# Altium PCB OZ440-SE100-CAR003.PcbDoc (part 5 of 5)
Units mm, origin at the board's own origin, x right, y up, seen from the top; angles counter-clockwise.
Board outline 187.5 x 145 mm, 6 copper layers (Top Layer, Mid-Layer 1, Mid-Layer 2, Mid-Layer 3, Mid-Layer 4, Bottom Layer), stack 1.444 mm thick; 326 components, 302 nets, 1483 pads, 1041 vias.
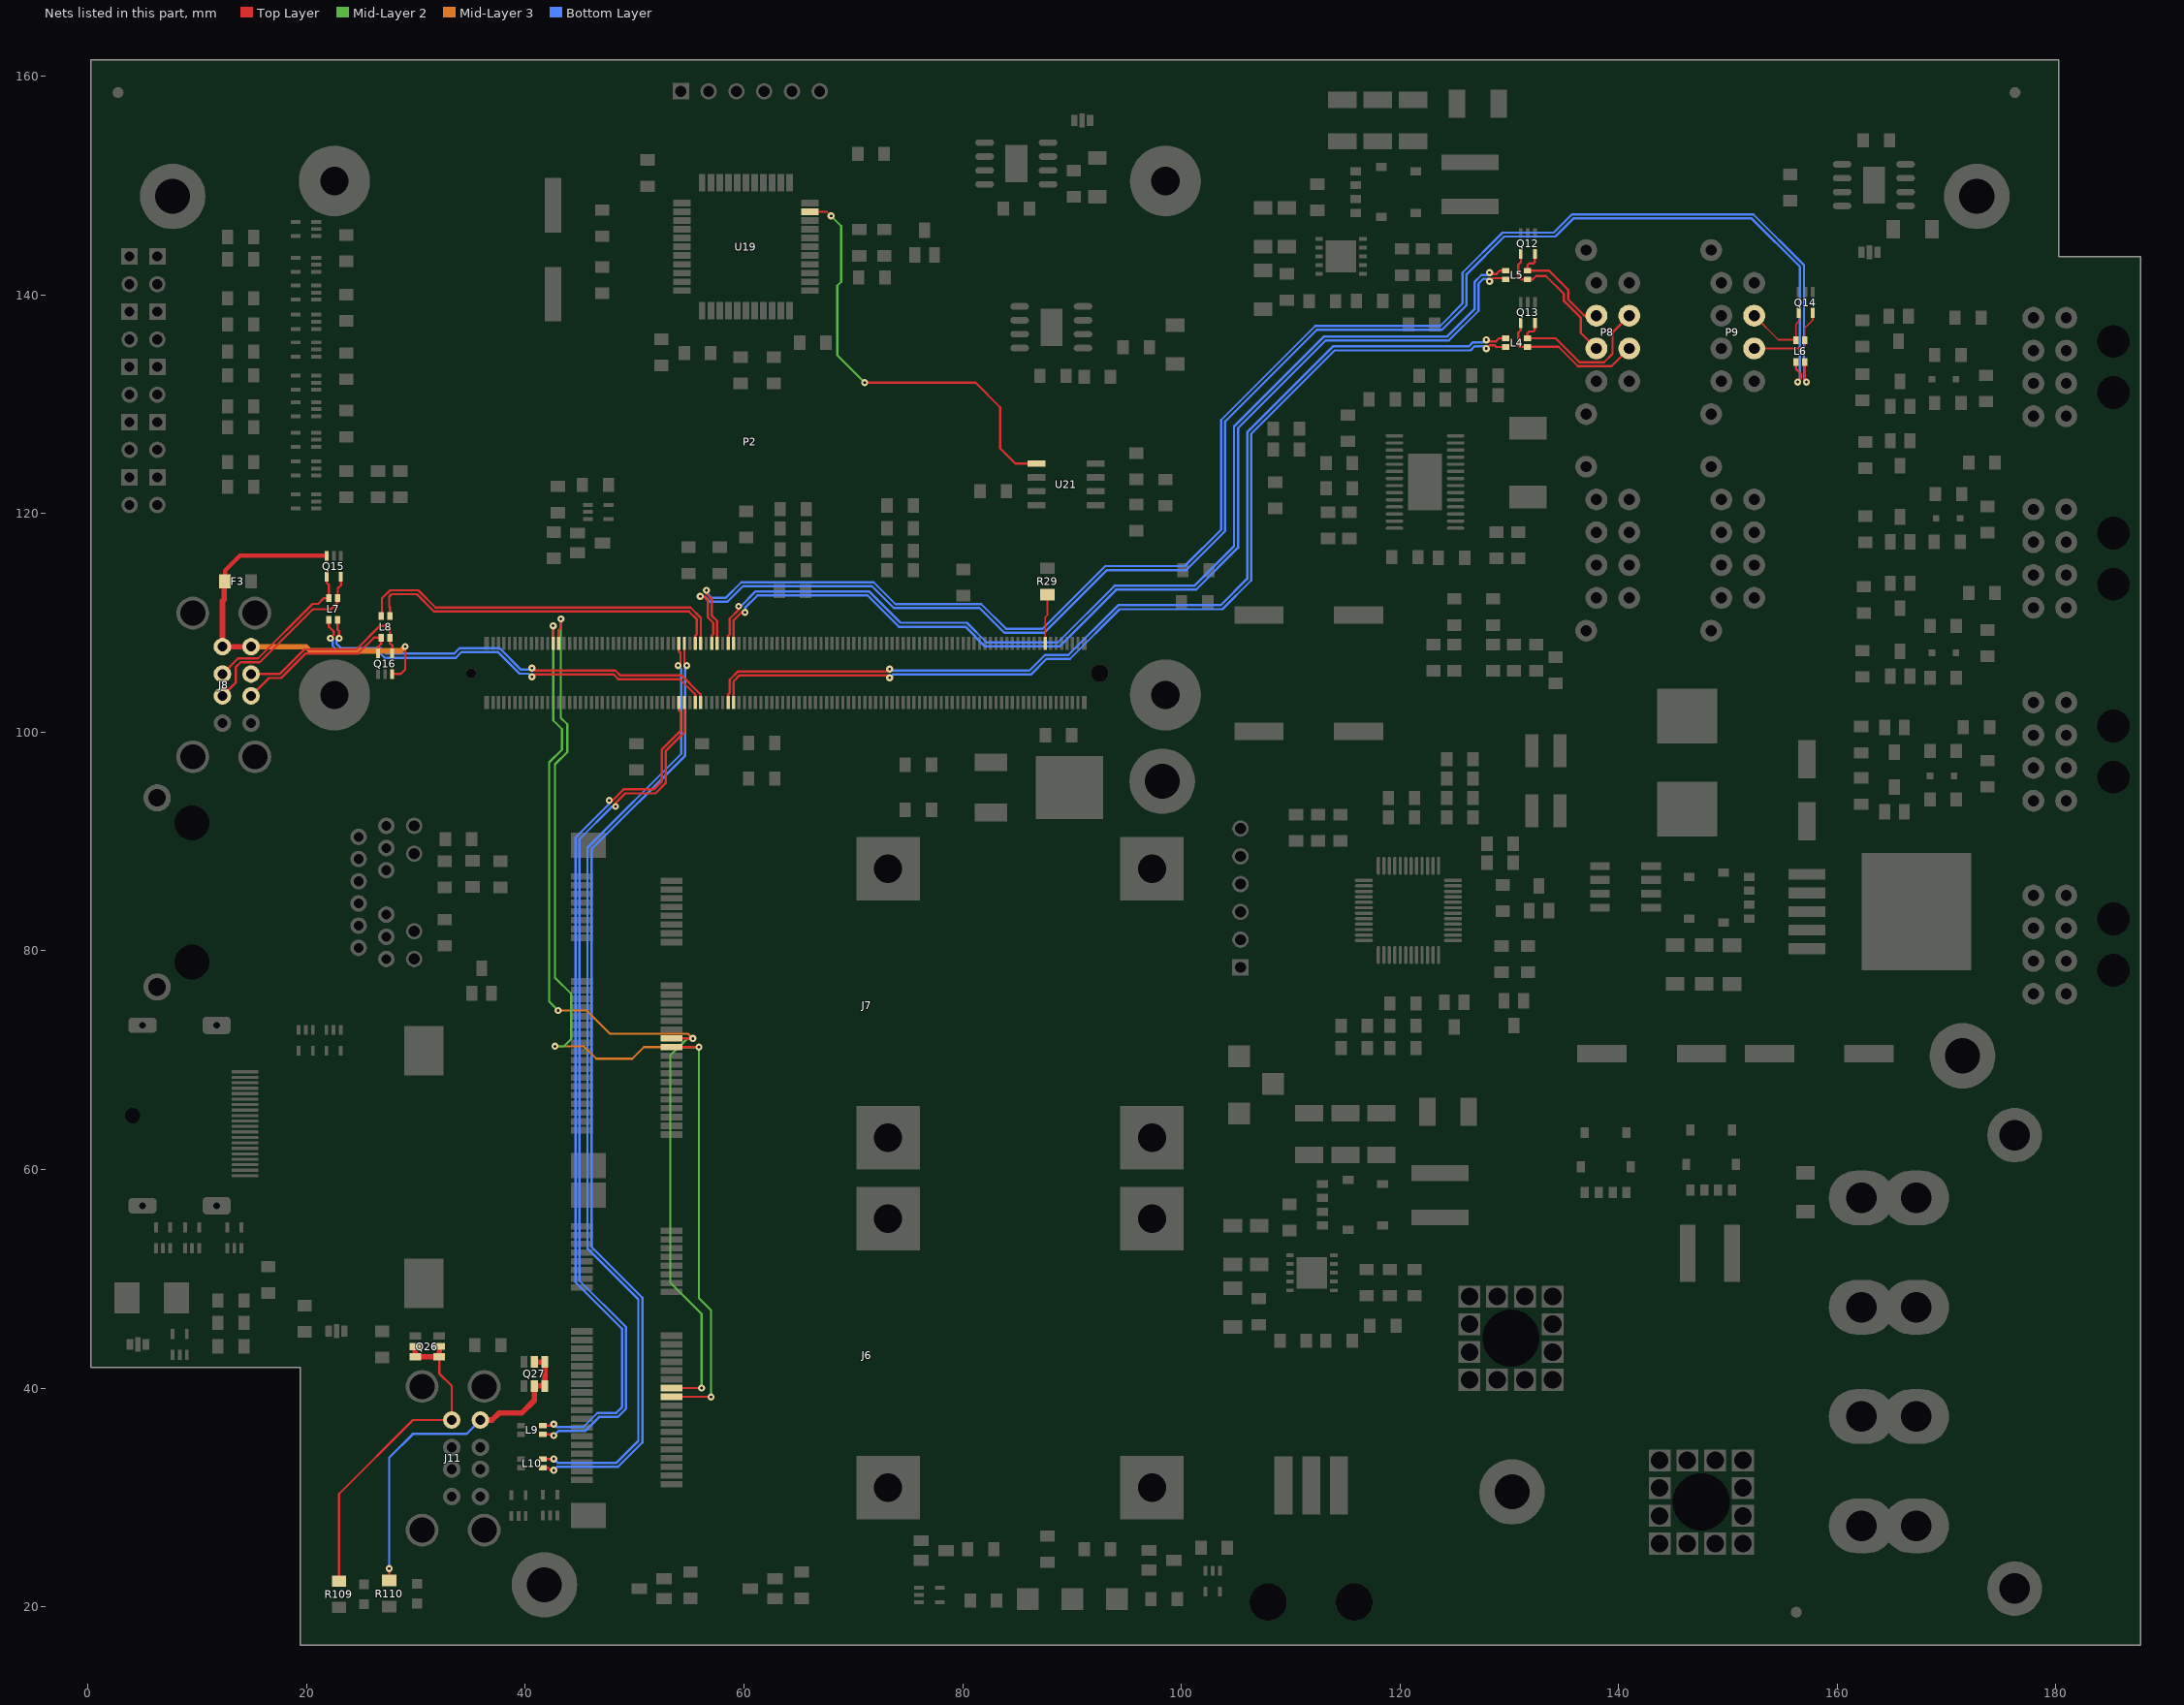
[diagram p9: the nets of this part, all layers, seen from the top]

## Via types
v1: diameter 0.65, hole 0.25, Top Layer to Bottom Layer, tented both sides, 815 vias
v2: diameter 1, hole 0.4, Top Layer to Bottom Layer, tented both sides, 222 vias
v3: diameter 1.1, hole 1.1, Top Layer to Bottom Layer, tented both sides, 2 vias
v4: diameter 1.6, hole 1.6, Top Layer to Bottom Layer, tented both sides, 2 vias

## Nets (pads, with @x,y where several pads share a name; then routed paths per layer and width w, separated by ;. In a path a pad name is that pad's centre, name@x,y a point inside that pad or via, vN(x,y) a via of type N, cw(c..) or ccw(c..) an arc to the next point about the centre after c; other vN are vias at no path point) (continued)
SLEEP: P2.B103 R29.1 | length 4.6
  Top Layer w0.15: P2.B103@87.552,108.11 87.552,110.517 87.757,110.722 R29.1@87.757,112.592
SMB_CK: J6.30 J7.30 P2.B13 | length 90.4
  Top Layer w0.2: P2.B13@42.552,108.11 v1(42.552,109.728) ; J6.30@53.376,40.003 v1@56.134,40.003 ; J7.30@53.376,72.003 55.302,72.003 v1(55.321,71.984)
  Mid-Layer 2 w0.2: v1(42.552,109.728) 42.552,101.085 43.358,100.279 43.358,98.4 42.189,97.231 42.189,75.362 v1(43.002,74.549) ; v1(55.321,71.984) 54.813,71.984 53.264,70.434 53.264,49.657 56.134,46.787 v1(56.134,40.005)
  Mid-Layer 3 w0.2: v1(43.002,74.549) 45.618,74.549 47.752,72.415 54.889,72.415 v1(55.321,71.984)
SMB_DAT: J6.32 J7.32 P2.B14 | length 96.5
  Top Layer w0.2: P2.B14@43.052,108.11 43.052,109.321 43.256,109.525 v1(43.256,110.363) ; J6.32@53.376,39.203 v1@56.998,39.203 ; J7.32@53.376,71.203 53.383,71.196 v1(55.88,71.196)
  Mid-Layer 2 w0.2: v1(42.723,71.272) 43.536,71.272 44.196,71.933 44.196,76.073 42.723,77.546 42.723,97.053 43.84,98.171 43.84,100.711 43.256,101.295 v1(43.256,110.363) ; v1(55.88,71.196) 55.88,48.235 56.998,47.117 v1(56.998,39.192)
  Mid-Layer 3 w0.2: v1(42.723,71.272) 45.364,71.272 46.507,70.129 49.784,70.129 50.851,71.196 v1(55.88,71.196)
TX_CAN: U19.10 U21.1 | length 39.9
  Top Layer w0.15: U19.10@66.029,147.599 67.59,147.599 v1(67.97,147.218)
  Top Layer w0.2: v1(71.041,131.97) 81.187,131.97 83.439,129.718 83.439,125.959 84.823,124.575 U21.1@86.755,124.575
  Mid-Layer 2 w0.2: v1(67.97,147.218) 68.89,146.298 68.89,141.199 68.529,140.837 68.529,134.482 v1(71.041,131.97)
USB0_N: L4.1 P2.A45 | length 94.2
  Top Layer w0.21: P2.A45@58.552,102.71 58.552,103.436 58.697,103.581 58.697,104.797 59.467,105.567 60.246,105.567 60.251,105.562 73.11,105.562 v1(73.33,105.782) ; v1(127.889,135.885) 128.045,135.73 128.055,135.74 128.767,135.74 129.057,136.03 L4.1@129.667,136.03
  Bottom Layer w0.21: v1(73.33,105.782) 73.485,105.626 73.496,105.637 86.103,105.637 87.532,107.065 89.675,107.065 94.222,111.612 103.61,111.612 106.032,114.034 106.032,127.439 113.878,135.285 126.293,135.285 126.674,135.665 127.685,135.665 127.889,135.869 v1(127.889,135.885)
USB0_P: L4.4 P2.A46 | length 93.6
  Top Layer w0.21: P2.A46@59.052,102.71 59.052,103.427 59.057,103.432 59.057,104.648 59.616,105.207 60.096,105.207 60.101,105.202 73.11,105.202 v1(73.33,104.982) ; v1(127.889,135.085) 127.909,135.085 128.204,135.38 128.667,135.38 128.817,135.23 L4.4@129.667,135.23
  Bottom Layer w0.21: v1(73.33,104.982) 73.35,104.982 73.645,105.277 86.252,105.277 87.681,106.705 89.824,106.705 94.371,111.252 103.759,111.252 106.392,113.885 106.392,127.29 114.027,134.925 126.442,134.925 126.823,135.305 127.685,135.305 127.889,135.101 v1(127.889,135.085)
USB1_N: L5.1 P2.B45 | length 98.6
  Top Layer w0.21: P2.B45@58.552,108.11 58.552,108.821 58.697,108.966 58.697,110.387 59.521,111.211 v1(59.521,111.522) ; v1(128.194,142.033) 128.349,141.877 128.36,141.888 128.807,141.888 129.144,142.225 L5.1@129.667,142.225
  Bottom Layer w0.21: v1(59.521,111.522) 59.741,111.522 59.741,111.537 61.083,112.879 71.45,112.879 74.322,110.007 80.399,110.007 82.199,108.207 88.705,108.207 93.888,113.39 101.197,113.39 104.826,117.019 104.826,127.959 113.067,136.199 124.333,136.199 126.822,138.688 126.822,141.174 127.46,141.813 128.092,141.813 128.194,141.914 v1(128.194,142.033)
USB1_P: L5.4 P2.B46 | length 98
  Top Layer w0.21: P2.B46@59.052,108.11 59.052,108.812 59.057,108.817 59.057,110.238 59.776,110.957 v1(60.087,110.957) ; v1(128.194,141.233) 128.214,141.233 128.509,141.528 129.564,141.528 L5.4@129.667,141.425
  Bottom Layer w0.21: v1(60.087,110.957) 60.101,110.971 60.101,111.388 61.232,112.519 71.301,112.519 74.172,109.647 80.25,109.647 82.05,107.847 88.854,107.847 94.037,113.03 101.346,113.03 105.186,116.87 105.186,127.81 113.216,135.839 124.482,135.839 127.182,138.539 127.182,141.025 127.61,141.453 128.092,141.453 128.194,141.351 v1(128.194,141.233)
USB3_N: L6.1 P2.B42 | length 146
  Top Layer w0.21: v1(56.003,112.417) 56.314,112.417 56.689,112.042 56.689,110.519 57.197,110.011 57.197,108.966 57.052,108.821 P2.B42@57.052,108.11 ; L6.1@156.21,133.858 156.21,133.23 156.666,132.774 156.666,132.344 156.371,132.049 v1(156.371,132.029)
  Bottom Layer w0.21: v1(56.003,112.417) 56.018,112.402 56.435,112.402 56.914,111.923 58.482,111.923 59.916,113.356 71.708,113.356 73.702,111.363 81.55,111.363 83.824,109.089 87.454,109.089 93.199,114.833 100.458,114.833 104.006,118.381 104.006,128.414 112.396,136.804 123.826,136.804 126.09,139.068 126.09,141.888 129.541,145.338 134.213,145.338 135.865,146.99 152.171,146.99 156.591,142.57 156.591,132.249 v1(156.371,132.029)
USB3_P: L6.4 P2.B43 | length 146.3
  Top Layer w0.21: v1(56.569,112.982) 56.569,112.671 57.049,112.191 57.049,110.668 57.557,110.16 57.557,108.817 57.552,108.812 P2.B43@57.552,108.11 ; L6.4@157.026,133.858 157.026,132.195 157.015,132.185 v1(157.171,132.029)
  Bottom Layer w0.21: v1(56.569,112.982) 56.569,112.762 56.584,112.762 57.063,112.283 58.333,112.283 59.767,113.716 71.857,113.716 73.851,111.723 81.699,111.723 83.974,109.449 87.305,109.449 93.05,115.193 100.309,115.193 103.646,118.53 103.646,128.564 112.247,137.164 123.677,137.164 125.73,139.217 125.73,142.037 129.391,145.698 134.064,145.698 135.715,147.35 152.321,147.35 156.951,142.719 156.951,132.249 v1(157.171,132.029)
USB4_N: L7.1 P2.A39 | length 39.2
  Top Layer w0.21: L7.1@22.047,110.261 22.047,109.634 22.473,109.208 22.473,108.9 22.178,108.605 v1(22.178,108.585) ; v1(40.615,105.062) 40.835,105.282 48.082,105.282 48.513,104.851 54.137,104.851 55.552,103.436 P2.A39@55.552,102.71
  Bottom Layer w0.21: v1(22.178,108.585) 22.322,108.585 22.398,108.509 22.398,107.904 22.966,107.336 26.599,107.336 27.128,106.807 33.655,106.807 34.184,107.336 37.496,107.336 39.475,105.357 40.299,105.357 40.594,105.062 v1(40.615,105.062)
USB4_P: L7.4 P2.A40 | length 39.2
  Top Layer w0.21: v1@22.833,108.751 22.823,108.741 v1(22.978,108.585) 22.978,109.229 22.847,109.36 L7.4@22.847,110.261 ; v1(40.615,105.862) 40.835,105.642 48.231,105.642 48.662,105.211 54.286,105.211 55.912,103.585 55.912,103.576 56.052,103.436 P2.A40@56.052,102.71
  Bottom Layer w0.21: v1(22.978,108.585) 22.835,108.585 22.758,108.509 22.758,108.053 23.115,107.696 26.748,107.696 27.256,107.188 33.505,107.188 34.013,107.696 37.645,107.696 39.624,105.717 40.448,105.717 40.459,105.707 v1(40.615,105.862)
USB5_N: L8.1 P2.B39 | length 33.2
  Top Layer w0.21: L8.1@27.635,110.642 27.635,111.43 27.559,111.506 27.559,112.395 27.788,112.624 30.072,112.624 31.647,111.049 54.961,111.049 55.697,110.313 55.697,108.966 55.552,108.821 P2.B39@55.552,108.11
USB5_P: L8.4 P2.B40 | length 34.5
  Top Layer w0.21: L8.4@26.894,110.642 26.894,112.239 27.638,112.984 30.222,112.984 31.796,111.409 55.11,111.409 56.057,110.462 56.057,108.817 56.052,108.812 P2.B40@56.052,108.11
USB6_N: L9.2 P2.A36 | length 80.2
  Top Layer w0.21: L9.2@41.624,36.576 42.48,36.576 v1(42.607,36.703) ; v1(47.686,93.766) 47.994,93.766 48.995,94.767 51.765,94.767 52.476,95.479 52.476,98.406 54.197,100.127 54.197,101.843 54.052,101.988 P2.A36@54.052,102.71
  Bottom Layer w0.21: v1(42.607,36.703) 42.872,36.438 45.303,36.438 46.588,37.723 48.315,37.723 48.844,38.252 48.844,45.441 44.598,49.687 44.598,90.367 47.686,93.455 v1(47.686,93.766)
USB6_P: L9.3 P2.A37 | length 80.8
  Top Layer w0.21: L9.3@41.624,35.776 42.494,35.776 v1(42.607,35.663) ; v1(48.252,93.2) 48.266,93.215 48.266,93.529 49.145,94.407 51.914,94.407 52.836,95.329 52.836,98.257 54.557,99.978 54.557,101.993 54.552,101.998 P2.A37@54.552,102.71
  Bottom Layer w0.21: v1(42.607,35.663) 43.022,36.078 45.452,36.078 46.737,37.363 48.464,37.363 49.204,38.103 49.204,45.59 44.958,49.836 44.958,90.218 47.941,93.2 v1(48.252,93.2)
USB7_N: L10.2 P2.B36 | length 88.4
  Top Layer w0.21: L10.2@41.619,33.528 L10.2@41.624,33.528 v1(42.607,33.528) ; v1(53.977,106.096) 54.019,106.096 54.197,106.274 54.197,107.254 54.052,107.399 P2.B36@54.052,108.11
  Bottom Layer w0.21: v1(42.607,33.528) 42.963,33.172 48.336,33.172 50.343,35.179 50.343,48.132 45.69,52.784 45.69,89.429 54.272,98.011 54.272,105.781 53.977,106.076 v1(53.977,106.096)
USB7_P: L10.3 P2.B37 | length 89
  Top Layer w0.21: L10.3@41.624,32.728 42.075,32.728 42.315,32.488 v1(42.607,32.488) ; P2.B37@54.552,108.11 54.552,107.408 54.557,107.403 54.557,106.274 54.735,106.096 v1(54.777,106.096)
  Bottom Layer w0.21: v1(42.607,32.488) 42.931,32.812 48.485,32.812 50.703,35.03 50.703,48.281 46.05,52.934 46.05,89.28 54.632,97.862 54.632,105.93 54.621,105.94 v1(54.777,106.096)
USB_A_EXT_N: L4.2 P8.2 Q13.5 | length 15
  Top Layer w0.21: Q13.5@132.345,137.432 132.334,137.421 132.334,136.779 132.207,136.652 131.826,136.652 131.667,136.493 L4.2@131.667,136.03 134.232,136.03 136.421,133.842 138.668,133.842 139.446,134.62 139.446,136.573 P8.2@140.97,138.097
USB_A_EXT_P: L4.3 P8.3 Q13.4 | length 13.8
  Top Layer w0.21: Q13.4@131.045,137.432 131.045,136.76 130.81,136.525 130.81,135.382 130.937,135.255 L4.3@131.642,135.255 ; L4.3@131.667,135.23 L4.3@131.642,135.255 ; P8.3@140.97,135.097 139.35,133.477 136.276,133.477 134.498,135.255 L4.3@131.642,135.255
USB_B_EXT_N: L5.2 P8.6 Q12.5 | length 10.6
  Top Layer w0.21: Q12.5@132.345,143.754 132.334,143.743 132.334,143.002 132.207,142.875 131.826,142.875 131.667,142.716 L5.2@131.667,142.225 133.619,142.225 135.382,140.462 135.382,139.574 136.859,138.097 P8.6@137.97,138.097
USB_B_EXT_P: L5.3 P8.7 Q12.4 | length 13.5
  Top Layer w0.21: Q12.4@131.045,143.754 131.064,143.735 131.064,143.002 130.81,142.748 130.81,141.732 131.117,141.425 L5.3@131.667,141.425 132.154,141.425 132.461,141.732 133.35,141.732 135.001,140.081 135.001,139.446 136.525,137.922 136.525,136.542 P8.7@137.97,135.097
USB_C1_N: J8.B2 L7.2 Q15.4 | length 14.7
  Top Layer w0.21: J8.B2@12.303,105.323 13.736,106.756 15.57,106.756 20.549,111.735 21.057,111.735 21.583,112.261 L7.2@22.047,112.261 22.047,113.462 21.839,113.67 Q15.4@21.839,114.229
USB_C1_P: J8.B3 L7.3 Q15.5 | length 17.4
  Top Layer w0.21: J8.B3@12.303,103.323 13.538,104.558 13.538,105.964 13.97,106.396 15.719,106.396 20.575,111.252 22.225,111.252 22.86,111.887 22.86,113.157 23.139,113.436 Q15.5@23.139,114.229
USB_C2_N: J8.A2 L8.2 Q16.4 | length 17
  Top Layer w0.21: J8.A2@14.923,105.323 17.543,105.323 19.789,107.569 24.562,107.569 26.721,109.728 27.432,109.728 27.635,109.525 L8.2@27.635,108.642 27.635,108.128 27.828,107.935 Q16.4@27.828,107.222
USB_C2_P: J8.A3 L8.3 Q16.5 | length 15.7
  Top Layer w0.21: J8.A3@14.923,103.323 16.553,104.953 17.682,104.953 19.938,107.209 24.731,107.209 26.164,108.642 L8.3@26.835,108.642 26.835,108.115 26.528,107.808 Q16.5@26.528,107.222 Q16.5@26.503,107.247
USB_LID_EXT_N: L6.2 P9.2 Q14.4 | length 7.7
  Top Layer w0.15: P9.2@152.4,138.097 154.607,135.89 155.971,135.89 156.21,135.651 L6.2@156.21,135.858 156.21,137.312 156.489,137.592 156.489,138.329 Q14.4@156.459,138.359
USB_LID_EXT_P: L6.3 P9.3 Q14.5 | length 8.1
  Top Layer w0.15: P9.3@152.4,135.097 156.814,135.097 157.01,135.293 L6.3@157.01,135.858 157.01,136.962 157.759,137.711 Q14.5@157.759,138.359
VBUS: F3.2 J8.A1 J8.B1 Q15.3 Q16.3 | length 37.4
  Top Layer w0.2: Q16.3@27.828,105.322 28.616,105.322 29.017,105.723 v1(29.017,107.837)
  Top Layer w0.4: F3.2@12.516,113.792 12.529,113.805 12.529,114.764 13.894,116.129 Q15.3@21.839,116.129
  Top Layer w0.5: F3.2@12.516,113.792 12.446,113.722 12.446,112.141 12.303,111.998 J8.B1@12.303,107.823 J8.A1@14.923,107.823
  Mid-Layer 3 w0.5: J8.A1@14.923,107.823 19.939,107.823 20.32,107.442 28.623,107.442 v1(29.017,107.837)
VBUS1: J11.B1 Q26.1 Q26.2 Q26.5 Q26.6 R109.2 | length 31.4
  Top Layer w0.21: R109.2@22.962,22.349 22.962,30.328 29.718,37.084 J11.B1@33.274,37.084 33.274,40.206 32.131,41.349 Q26.1@32.131,42.869
  Top Layer w0.5: Q26.5@29.931,43.814 Q26.6@29.931,42.864 Q26.1@32.126,42.864 ; Q26.1@32.131,42.869 Q26.2@32.131,43.819
VBUS2: J11.A1 Q27.1 Q27.2 Q27.5 Q27.6 R110.2 | length 32.1
  Top Layer w0.21: R110.2@27.559,22.406 v1(27.559,23.495)
  Top Layer w0.5: J11.A1@35.894,37.084 36.965,37.084 37.6,37.719 39.671,37.719 40.838,38.886 Q27.5@40.838,40.203 Q27.6@41.788,40.203 41.788,42.398 Q27.2@40.838,42.398
  Bottom Layer w0.21: v1(27.559,23.495) 27.559,33.655 29.718,35.814 34.624,35.814 J11.A1@35.894,37.084
pads on no net: Cent1.0 Cent2.0 Cent3.0 D1.4 D2.4 D3.2 D4.4 D5.2 D15.2 D19.4 D20.4 J1.0 J4.2 J4.3 J5.13 J5.14 J5.F1 J5.F2 J6.0 J6.1 J6.3 J6.5 J6.6 J6.7 J6.8 J6.10 J6.11 J6.12 J6.13 J6.14 J6.16 J6.17 J6.19 J6.20 J6.22 J6.28 J6.36 J6.38 J6.42 J6.43 J6.44 J6.45 J6.46 J6.47 J6.48 J6.49 J6.51 J6.M1 J6.M2 J7.0 J7.3 J7.5 J7.7 J7.8 J7.10 J7.12 J7.14 J7.16 J7.17 J7.19 J7.20 J7.42 J7.44 J7.45 J7.46 J7.47 J7.49 J7.51 J7.M1 J7.M2 J9.5 J10. P1.3 P1.Fix1 P1.Fix2 P2.0 P2.A8 P2.A22 P2.A23 P2.A25 P2.A26 P2.A29 P2.A30 P2.A32 P2.A33 P2.A52 P2.A53 P2.A54 P2.A55 P2.A56 P2.A58 P2.A59 P2.A63 P2.A67 P2.A71 P2.A72 P2.A73 P2.A74 P2.A75 P2.A76 P2.A77 P2.A78 P2.A79 P2.A81 P2.A82 P2.A83 P2.A84 P2.A85 P2.A86 P2.A87 P2.A91 P2.A92 P2.A93 P2.A94 P2.A95 P2.A96 P2.A97 P2.A101 P2.A102 P2.B22 P2.B23 P2.B25 P2.B26 P2.B27 P2.B28 P2.B29 P2.B30 P2.B33 P2.B34 P2.B52 P2.B53 P2.B54 P2.B55 P2.B56 P2.B57 P2.B58 P2.B59 P2.B63 P2.B77 P2.B78 P2.B79 P2.B83 P2.B91 P2.B92 P2.B93 P2.B94 P2.B96 P2.B97 P2.B101 P2.B102 P2.M1 P3.3 P3.4 P3.8 P3.FIX2 P4.3 P4.4 P4.8 P4.FIX2 P5.3 P5.4 P5.8 P5.FIX2 P6.3 P6.4 P6.8 P6.FIX2 P7.2 P7.FIX1 P7.FIX2 P8.FIX1 P8.FIX2 P9.5 P9.6 P9.7 P9.FIX1 P9.FIX2 P10.3 P10.4 P10.5 P10.6 P10.FIX1 P10.FIX2 Q12.1 Q13.1 Q14.1 Q15.1 Q16.1 Q17.1 Q18.1 Q19.1 Q20.1 Q21.1 Q22.1 Q24.1 Q25.1 U1.10 U2.10 U4.17 U4.19 U4.33 U4.34 U4.35 U4.36 U4.37 U4.42 U4.43 U5.1 U6.1 U7.1 U8.1 U9.1 U10.1 U11.1 U12.1 U13.1 U14.1 U15.1 U16.22 U18.1 U18.8 U19.1 U19.4 U19.5 U19.8 U19.9 U19.12 U19.13 U19.25 U19.26 U19.27 U19.32 U19.33 U19.34 U19.43 U20.1 U22.1 U23.1 U24.1
copper on no net:
  other v1: 77.47,91.186
  other v3: 49.276,30.503 49.276,62.503
  other v4: 49.276,55.503 49.276,87.503

## Polygon pours and split planes (outlines as drawn)
LOGIC_POWER.GND_1 on Top Layer "GND_PWR" (solid, pour order 58): 159.512,30.734 155.448,34.798 142.24,34.798 142.24,24.384 170.434,24.384 170.434,30.734
1V5 on Top Layer "1V5" (solid, pour order 40): 86.614,98.044 86.614,86.106 86.614,83.566 74.93,83.566 73.406,83.566 73.406,72.898 73.406,72.136 97.79,72.136 102.108,72.136 102.108,79.502 102.108,83.312 94.234,83.312 92.964,83.312 92.964,98.044
LOGIC_POWER.GND_1 on Top Layer "GND_Gbe" (solid, remove dead copper, pour order 51): 34.544,102.489 28.829,96.774 24.638,96.774 23.749,96.774 20.574,93.599 18.923,91.948 18.923,81.534 18.923,80.264 21.971,77.216 29.845,77.216 32.258,77.216 33.909,78.867 34.163,79.121 34.163,80.899 36.83,83.566 37.338,83.566 37.846,83.566 38.608,84.328 38.862,84.582 38.862,88.265 38.862,92.837 39.751,93.726 43.688,97.663 43.688,101.219 43.434,101.473 43.434,103.505 43.434,103.759 42.799,104.394 38.227,104.394 36.449,104.394 34.544,102.489
24V_POWER_1 on Top Layer "Top Layer-No Net" (solid, pour order 45): 155.194,50.038 152.781,47.625 152.654,47.752 143.202,47.752 141.297,49.657 124.714,49.657 124.714,37.338 125.984,36.068 155.448,36.068 161.544,42.549 171.05,42.549 171.704,43.203 171.704,49.403 171.069,50.038
LOGIC_POWER.GND_1 on Mid-Layer 1 "Main GND plane" (solid, pour order 32): 0.508,42.164 0.508,161.29 180.086,161.29 180.086,143.256 187.452,143.256 187.452,16.764 19.558,16.764 19.558,42.164
24V_POWER_1 on Mid-Layer 1 "Top Layer-No Net" (solid, pour order 31): 155.194,50.038 152.781,47.625 152.654,47.752 143.202,47.752 141.297,49.657 124.714,49.657 124.714,37.338 125.984,36.068 155.448,36.068 161.544,42.549 171.05,42.549 171.704,43.203 171.704,49.403 171.069,50.038
LOGIC_POWER.GND_1 on Mid-Layer 2 "GND_PWR" (solid, pour order 57): 159.512,30.734 155.448,34.798 142.24,34.798 142.24,24.384 170.434,24.384 170.434,30.734
NetC4_2 on Mid-Layer 2 "3V3_L4" (solid, pour order 39): 111.557,66.808 111.557,55.468 116.605,50.978 124.457,50.978 128.803,55.042 128.803,67.43 125.754,70.282 125.649,70.183 115.038,70.183
LOGIC_POWER.GND_1 on Mid-Layer 2 "3V3_PERM_L4" (solid, pour order 47): 77.978,61.646 77.978,17.907 106.561,17.907 120.447,17.907 120.447,53.601 120.447,61.646 108.119,61.646
24V_POWER_1 on Mid-Layer 2 "Top Layer-No Net" (solid, pour order 44): 155.194,50.038 152.781,47.625 152.654,47.752 143.202,47.752 141.297,49.657 124.714,49.657 124.714,37.338 125.984,36.068 155.448,36.068 161.544,42.549 171.05,42.549 171.704,43.203 171.704,49.403 171.069,50.038
LOGIC_POWER.GND_1 on Mid-Layer 3 "GND_PWR" (solid, pour order 56): 159.512,30.734 155.448,34.798 142.24,34.798 142.24,24.384 170.434,24.384 170.434,30.734
NetC4_2 on Mid-Layer 3 "3V3_L4" (solid, pour order 37): 115.214,63.246 115.214,54.458 118.872,50.978 124.562,50.978 127.711,54.127 127.711,63.729 125.501,65.938 125.425,65.862 117.737,65.862
LOGIC_POWER.GND_1 on Mid-Layer 3 "3V3_PERM_L4" (solid, pour order 46): 77.851,61.646 77.851,17.78 103.75,17.78 116.332,17.78 116.332,53.577 116.332,61.646 105.162,61.646
24V_POWER_1 on Mid-Layer 3 "Top Layer-No Net" (solid, pour order 42): 155.194,50.038 152.781,47.625 152.654,47.752 143.202,47.752 141.297,49.657 124.714,49.657 124.714,37.338 125.984,36.068 155.448,36.068 161.544,42.549 171.05,42.549 171.704,43.203 171.704,49.403 171.069,50.038
LOGIC_POWER.GND_1 on Bottom Layer "GND_PWR" (solid, pour order 55): 159.512,30.734 155.448,34.798 142.24,34.798 142.24,24.384 170.434,24.384 170.434,30.734
LOGIC_POWER.GND_1 on Bottom Layer "GND_CAN" (solid, pour order 34): 79.248,131.318 96.012,131.318 96.012,148.082 79.248,148.082
1V5 on Bottom Layer "1V5" (solid, pour order 38): 86.614,98.044 86.614,86.106 86.614,83.566 74.93,83.566 73.406,83.566 73.406,72.898 73.406,72.136 97.79,72.136 102.108,72.136 102.108,79.502 102.108,83.312 94.234,83.312 92.964,83.312 92.964,98.044
LOGIC_POWER.GND_1 on Bottom Layer "3V3_PERM_L4" (solid, pour order 36): 77.724,61.722 77.724,18.034 135.89,18.034 135.89,34.544 122.174,34.544 122.174,61.722
NetC15_2 on Bottom Layer "GND_reg" (solid, pour order 53): 125.73,151.765 116.459,151.765 116.459,145.034 116.459,144.399 126.746,144.399 126.746,151.765
LOGIC_POWER.GND_1 on Bottom Layer "GND_reg" (solid, pour order 54): 101.981,159.639 101.981,139.319 119.126,139.319 122.555,139.319 122.555,155.702 122.555,159.639 101.981,159.639
LOGIC_POWER.GND_1 on Bottom Layer "GND_reg" (solid, pour order 52): 156.464,93.091 171.958,93.091 171.958,74.295 171.958,73.787 159.766,73.787 156.464,73.787 156.464,93.091
LOGIC_POWER.GND_1 on Bottom Layer "GND_MOTR_DRV" (solid, pour order 48): 114.224,133.401 107.264,126.441 107.264,121.31 107.264,110.134 131.242,110.134 131.521,110.134 131.521,120.98 131.521,133.401 114.224,133.401
NetC4_2 on Bottom Layer "3V3_L4" (solid, pour order 35): 111.811,66.808 111.811,55.468 116.784,50.978 124.521,50.978 128.803,55.042 128.803,67.43 125.799,70.282 125.695,70.183 115.24,70.183
24V_POWER_1 on Bottom Layer "Top Layer-No Net" (solid, pour order 41): 155.194,50.038 152.781,47.625 152.654,47.752 143.202,47.752 141.297,49.657 124.714,49.657 124.714,37.338 125.984,36.068 155.448,36.068 161.544,42.549 171.05,42.549 171.704,43.203 171.704,49.403 171.069,50.038
no net on Mid-Layer 4 "Top Layer-No Net" (solid, pour order 30): 155.194,50.038 152.781,47.625 152.654,47.752 143.202,47.752 141.297,49.657 124.714,49.657 124.714,37.338 125.984,36.068 155.448,36.068 161.544,42.549 171.05,42.549 171.704,43.203 171.704,49.403 171.069,50.038
+3V3 on Mid-Layer 4 "3V3_L4" (solid, pour order 33): 11.963,147.244 11.963,126.695 21.082,117.602 21.844,117.602 21.844,115.443 21.717,74.041 3.277,74.117 3.302,42.52 40.005,42.52 40.081,31.14 44.602,26.619 62.027,26.619 68.555,33.147 68.555,85.903 72.261,89.609 100.074,89.609 101.168,90.703 101.168,122.326 96.088,127.406 35.992,127.406 29.794,133.604 29.794,147.117 28.346,148.565 13.437,148.565 12.979,148.107
LOGIC_POWER.GND_1 on Mid-Layer 4 "Main GND plane" (solid, pour order 50): 0.508,42.164 0.508,161.29 180.086,161.29 180.086,143.256 187.452,143.256 187.452,16.764 19.558,16.764 19.558,42.164
+5V on Mid-Layer 4 "5V" (solid, pour order 49): 31.42,160.706 31.42,133.477 36.398,128.499 36.703,128.194 96.545,128.194 96.571,128.194 101.905,122.86 102.237,122.527 102.237,100.66 102.237,100.048 104.038,98.247 117.45,98.247 120.777,101.575 121.869,102.667 158.623,102.667 170.434,102.667 174.092,106.324 175.209,107.442 175.209,138.278 175.209,140.614 169.316,146.507 168.199,147.625 168.199,156.743 164.973,159.969 163.779,161.163 31.852,161.163
+3V3_PERM on Mid-Layer 4 "3V3_PERM_L4" (solid, pour order 43): 104.953,97.257 118.364,97.257 121.183,100.076 121.793,100.686 137.058,100.686 157.074,100.686 159.36,98.4 159.614,98.146 159.614,90.932 159.614,84.455 154.305,79.146 154.178,79.019 128.041,79.019 126.441,79.019 124.409,76.987 124.003,76.581 114.046,76.581 104.496,76.581 102.616,78.461 102.616,95.326

## Other copper
Top Layer:
  rectangle net NetC15_2: 118.491,145.669 121.92,147.193
  rectangle net LOGIC_POWER.GND_1: 162.212,88.421 168.181,89.916
  rectangle net LOGIC_POWER.GND_1: 113.538,146.304 114.554,148.717
  rectangle net LOGIC_POWER.GND_1: 79.934,139.725 96.85,144.247
  rectangle net LOGIC_POWER.GND_1: 87.065,134.163 89.205,143.662
  rectangle net +5V: 109.499,156.007 113.487,158.598
  rectangle net POWER_IN: 151.511,76.277 155.372,78.484
  rectangle net LOGIC_POWER.GND_1: 113.208,140.538 116.002,146.406
  rectangle net LOGIC_POWER.GND_1: 106.807,148.234 108.102,149.301
  rectangle net LOGIC_POWER.GND_1: 106.35,148.948 108.483,151.079
  rectangle net LOGIC_POWER.GND_1: 109.525,152.222 113.513,154.813
  rectangle net +12V: 80.213,135.255 83.464,137.541
  rectangle net +12V: 87.935,103.632 91.034,105.943
  region net +12V: 107.851,65.583 107.851,61.747 110.058,61.747 110.058,65.583
  region net LOGIC_POWER.GND_1: 108.458,103.911 108.458,107.264 105.893,107.264 105.893,103.911
  rectangle net LOGIC_POWER.GND_1: 120.777,118.034 123.876,128.956
  rectangle net +5V: 77.902,109.398 79.703,110.668
  rectangle net NetC4_2: 114.402,52.629 119.964,60.3
  region net 24V_POWER_1: 120.498,103.581 120.498,106.934 116.129,106.934 116.129,103.581
  rectangle net +12V: 87.935,108.945 90.703,110.363
  region net LOGIC_POWER.GND_1: 142.415,77.14 142.415,81.204 140.208,81.204 140.208,77.14
  region net LOGIC_POWER.GND_1: 139.192,70.104 139.192,74.168 136.985,74.168 136.985,70.104
  rectangle net LOGIC_POWER.GND_1: 136.398,72.596 140.462,74.803
  rectangle net LOGIC_POWER.GND_1: 136.398,54.483 138.049,56.826
  rectangle net LOGIC_POWER.GND_1: 136.398,52.403 140.462,54.61
  rectangle net LOGIC_POWER.GND_1: 162.179,76.803 168.148,78.486
  rectangle net LOGIC_POWER.GND_1: 161.798,147.124 164.973,153.035
  rectangle net LOGIC_POWER.GND_1: 83.371,149.104 86.546,155.015
  rectangle net LOGIC_POWER.GND_1: 110.547,46.609 113.347,53.517
  rectangle net LOGIC_POWER.GND_1: 107.315,57.683 111.303,60.274
  rectangle net POWER_IN: 143.789,65.634 147.777,68.224
  rectangle net POWER_IN: 99.619,48.539 103.607,51.943
  rectangle net NetC4_2: 117.373,54.915 121.107,56.363
  rectangle net +3V3: 135.458,84.582 137.03,89.84
  rectangle net +3V3_PERM: 144.577,88.671 147.752,93.701
  rectangle net NetD4_5: 147.498,101.219 151.486,103.962
  text ".BoardPartNumber" at 133.35,156.972 h1.8
Mid-Layer 1:
  text "2" at 137.922,17.526 h2
Mid-Layer 2:
  region net POWER_IN: 145.742,141.91 145.742,145.974 143.535,145.974 143.535,141.91
  rectangle net POWER_IN: 151.511,76.276 155.423,78.486
  rectangle net +12V: 80.188,135.23 83.439,137.541
  rectangle net +12V: 100.178,140.691 103.429,143.002
  rectangle net +12V: 87.808,103.53 91.059,105.842
  rectangle net +12V: 107.899,61.798 110.896,65.557
  rectangle net 24V_POWER_1: 117.971,103.276 120.498,107.036
  rectangle net 24V_POWER_1: 151.663,105.054 155.016,107.772
  rectangle net LOGIC_POWER.GND_1: 162.052,147.066 165.608,159.258
  rectangle net LOGIC_POWER.GND_1: 154.94,153.797 172.72,159.512
  text "3" at 140.208,17.526 h2
Mid-Layer 3:
  rectangle net 12V_SENSOR: 164.592,143.764 165.608,145.11
  rectangle net POWER_IN: 143.561,141.834 145.771,145.999
  region net 24V_POWER_1: 120.498,103.581 120.498,106.934 117.78,106.934 117.78,103.581
  rectangle net 24V_POWER_1: 151.663,105.054 155.016,107.772
  rectangle net LOGIC_POWER.GND_1: 154.94,153.797 172.72,159.512
  rectangle net LOGIC_POWER.GND_1: 162.052,151.409 165.608,159.258
  text "4" at 142.494,17.526 h2
Mid-Layer 4:
  rectangle net POWER_IN: 99.67,48.565 104.115,51.918
  text "5" at 145.034,17.526 h2
Bottom Layer:
  rectangle net POWER_IN: 151.726,76.021 155.405,78.391
  rectangle net LOGIC_POWER.GND_1: 159.385,147.066 165.608,159.258
  rectangle net LOGIC_POWER.GND_1: 151.892,153.797 172.72,160.782

## Silkscreen, mask and mechanical layers (free items; w line width, h text height)
Top Overlay:
  drawing of 355 lines, arcs and shapes, not listed
  text "Naio Technologies / 10-2014" at 10.16,157.734 h1.5
  text "CAN_H" at 103.124,72.263 h1
  text "CAN_L" at 102.997,62.484 h1
Top Solder:
  rectangle: 134.341,16.51 150.089,20.727
Bottom Solder:
  rectangle: 134.341,16.51 150.089,20.727
cutout:
  lines w0.05: 0.254,41.91 19.431,41.91 19.431,16.51 187.754,16.51 187.754,70.51 187.754,143.51 180.254,143.51 180.254,161.51 0.254,161.51 0.254,41.91
Assy Top details:
  text ".ASsyDocumentNumber" at 221.719,-79.876 h1.52
Assy bottom details:
  text ".ASsyDocumentNumber" at -32.035,-80.141 h1.52
DXF import:
  circle w0.05: c90.254,89.01 r1.7
  circle w0.05: c172.754,149.01 r1.7
  circle w0.05: c162.754,89.01 r1.7
  circle w0.05: c172.754,29.01 r1.7
  circle w0.05: c7.754,89.01 r1.7
  circle w0.05: c7.754,149.01 r1.7
  lines w0.05: 3.554,89.01 5.254,89.01 7.754,89.01 ; 3.554,149.01 5.254,149.01 7.754,149.01 ; 7.754,84.81 7.754,86.51 7.754,89.01 ; 7.754,93.21 7.754,91.51 7.754,89.01 ; 7.754,144.81 7.754,146.51 7.754,149.01 ; 7.754,153.21 7.754,151.51 7.754,149.01 ; 11.954,89.01 10.254,89.01 7.754,89.01 ; 11.954,149.01 10.254,149.01 7.754,149.01 ; 86.054,89.01 87.754,89.01 90.254,89.01 ; 90.254,84.81 90.254,86.51 90.254,89.01 ; 90.254,93.21 90.254,91.51 90.254,89.01 ; 94.454,89.01 92.754,89.01 90.254,89.01 ; 147.789,104.546 147.789,106.246 ; 158.554,89.01 160.254,89.01 162.754,89.01 ; 162.754,84.81 162.754,86.51 162.754,89.01 ; 162.754,93.21 162.754,91.51 162.754,89.01 ; 166.954,89.01 165.254,89.01 162.754,89.01 ; 168.554,29.01 170.254,29.01 172.754,29.01 ; 170.254,149.01 172.754,149.01 ; 172.754,24.81 172.754,26.51 172.754,29.01 ; 172.754,33.21 172.754,31.51 172.754,29.01 ; 172.754,144.81 172.754,146.51 172.754,149.01 ; 172.754,153.21 172.754,151.51 172.754,149.01 ; 176.954,29.01 175.254,29.01 172.754,29.01 ; 176.954,149.01 175.254,149.01 172.754,149.01 ; 0.254,41.91 19.431,41.91 19.431,16.51 186.754,16.51 186.754,70.51 186.754,143.51 180.254,143.51 180.254,161.51 0.254,161.51 0.254,41.91 ; 18.246,99.138 103.246,99.138 103.246,154.138 18.246,154.138 18.246,99.138
Sheet format drawing:
  drawing of 2594 lines, arcs and shapes, not listed
  text "1" at -75.838,191.458 h1.78
  text "2" at -26.799,191.458 h1.78
  text "3" at 22.46,191.458 h1.78
  text "4" at 71.753,191.458 h1.78
  text "5" at 121.029,191.458 h1.78
  text "6" at 170.051,191.458 h1.78
  text "7" at 219.581,191.458 h1.78
  text "8" at 268.603,191.458 h1.78
  text "A" at -97.97,157.473 h1.78
  text "A" at 290.65,157.473 h1.78
  text "B" at -97.97,86.861 h1.78
  text "B" at 290.65,86.861 h1.78
  text "C" at -97.97,16.249 h1.78
  text "C" at 290.65,16.249 h1.78
  text "D" at -97.97,-53.855 h1.78
  text "D" at 290.65,-53.855 h1.78
  text "Verifie par:" at 175.715,-54.033 h1.14
  text "Nom de la carte:" at 213.815,-54.033 h1.14
  text ".VerifEngineer" at 181.341,-57.229 h1.52
  text ".boardName" at 225.821,-57.613 h1.52
  text "Nom du Projet" at 213.688,-60.383 h1.14
  text "dessine par:" at 175.715,-61.526 h1.14
  text ".projectTitle" at 226.141,-64.013 h1.52
  text ".designEngineer" at 181.533,-64.717 h1.52
  text "3 Av didier Daurat" at 144.249,-68.954 h1.52
  text "DATE:" at 175.715,-69.273 h1.14
  text "PART NO.:" at 213.815,-69.273 h1.14
  text "Revision" at 267.155,-69.273 h1.14
  text ".PRINT_DATE" at 176.985,-72.321 h1.78
  text "31400 Toulouse" at 146.179,-72.764 h1.52
  text ".boardrevision" at 267.566,-72.764 h1.52
  text ".boardPartNumber" at 222.493,-72.781 h1.52
  text "NOM DU FICHIER:" at 175.715,-76.893 h1.14
  text "Document: No:" at 213.815,-76.893 h1.14
  text "Echelle:" at 267.155,-76.893 h1.14
  text "1:1" at 273.117,-79.501 h1.52
  text ".PCB_FILE_NAME_NO_PATH" at 175.237,-80.003 h1.78
  text "1" at -75.838,-85.402 h1.78
  text "2" at -26.799,-85.402 h1.78
  text "3" at 22.46,-85.402 h1.78
  text "4" at 71.753,-85.402 h1.78
  text "5" at 121.029,-85.402 h1.78
  text "6" at 170.051,-85.402 h1.78
  text "7" at 219.581,-85.402 h1.78
  text "8" at 268.603,-85.402 h1.78
Drill Drawing:
  lines w0.25: -75.184,-28.374 45.339,-28.374 ; -75.184,-24.024 45.339,-24.024 ; -76.708,-63.37 ccw(c-75.308,-63.37) -75.308,-64.77 45.463,-64.77 ccw(c45.463,-63.37) 46.863,-63.37 46.863,-20.831 ccw(c45.463,-20.831) 45.463,-19.431 -75.308,-19.431 ccw(c-75.308,-20.831) -76.708,-20.831 -76.708,-63.37
  text "Layer Stack Up Detail for: OZ440-SE100-CAR003.PcbDoc" at -75.184,-23.002 h1.75
  text "Layer" at -75.184,-25.649 h1
  text "Copper" at -41.761,-25.649 h1
  text "Dielectric" at -20.314,-25.649 h1
  text "Dielectric" at 1.833,-25.649 h1
  text "Dielectric" at 28.258,-25.649 h1
  text "Name" at -75.184,-27.649 h1
  text "Thickness" at -41.761,-27.649 h1
  text "Height" at -20.314,-27.649 h1
  text "Material" at 1.833,-27.649 h1
  text "Type" at 28.258,-27.649 h1
  text "Top Solder Mask" at -75.184,-30.482 h1.4
  text "0.0102mm" at -20.314,-30.482 h1.4
  text "Solder Resist" at 1.833,-30.482 h1.4
  text "Top Layer" at -75.184,-34.45 h1.4
  text "0.0356mm" at -41.761,-34.45 h1.4
  text "0.123mm" at -20.314,-36.433 h1.4
  text "FR-4" at 1.833,-36.433 h1.4
  text "PrePreg" at 28.258,-36.433 h1.4
  text ".Legend" at 159.512,-37.719 h1
  text "Mid-Layer 1" at -75.184,-38.417 h1.4
  text "0.0356mm" at -41.761,-38.417 h1.4
  text "0.395mm" at -20.314,-40.4 h1.4
  text "FR-4" at 1.833,-40.4 h1.4
  text "Core" at 28.258,-40.4 h1.4
  text "Mid-Layer 2" at -75.184,-42.384 h1.4
  text "0.0356mm" at -41.761,-42.384 h1.4
  text "0.195mm" at -20.314,-44.367 h1.4
  text "FR-4" at 1.833,-44.367 h1.4
  text "PrePreg" at 28.258,-44.367 h1.4
  text "Mid-Layer 3" at -75.184,-46.351 h1.4
  text "0.0356mm" at -41.761,-46.351 h1.4
  text "0.395mm" at -20.314,-48.335 h1.4
  text "FR-4" at 1.833,-48.335 h1.4
  text "Core" at 28.258,-48.335 h1.4
  text "Mid-Layer 4" at -75.184,-50.318 h1.4
  text "0.0356mm" at -41.761,-50.318 h1.4
  text "0.123mm" at -20.314,-52.302 h1.4
  text "FR-4" at 1.833,-52.302 h1.4
  text "PrePreg" at 28.258,-52.302 h1.4
  text "Bottom Layer" at -75.184,-54.285 h1.4
  text "0.0356mm" at -41.761,-54.285 h1.4
  text "Bottom Solder Mask" at -75.184,-58.252 h1.4
  text "0.0102mm" at -20.314,-58.252 h1.4
  text "Solder Resist" at 1.833,-58.252 h1.4
  text "NOTA : Toutes les dimensions en mm" at 85.09,-78.74 h1.52
  text ".DrillDocumentNumber" at 221.725,-79.821 h1.52
Sheet format drawing mirror:
  drawing of 2594 lines, arcs and shapes, not listed
  text "8" at -74.689,191.522 h1.78
  text "7" at -25.667,191.522 h1.78
  text "6" at 23.863,191.522 h1.78
  text "5" at 72.885,191.522 h1.78
  text "4" at 122.161,191.522 h1.78
  text "3" at 171.454,191.522 h1.78
  text "2" at 220.713,191.522 h1.78
  text "1" at 269.752,191.522 h1.78
  text "A" at -96.736,157.537 h1.78
  text "A" at 291.884,157.537 h1.78
  text "B" at -96.736,86.925 h1.78
  text "B" at 291.884,86.925 h1.78
  text "C" at -96.736,16.313 h1.78
  text "C" at 291.884,16.313 h1.78
  text "Nom de la carte:" at -19.2,-53.206 h1.14
  text "Verifie par:" at 18.9,-53.206 h1.14
  text "D" at -96.736,-53.791 h1.78
  text "D" at 291.884,-53.791 h1.78
  text ".VerifEngineer" at 12.573,-57.165 h1.52
  text ".boardName" at -31.907,-57.549 h1.52
  text "Nom du Projet" at -19.073,-59.556 h1.14
  text "dessine par:" at 18.9,-60.699 h1.14
  text ".projectTitle" at -32.227,-63.949 h1.52
  text ".designEngineer" at 12.381,-64.653 h1.52
  text "Revision" at -72.54,-68.446 h1.14
  text "PART NO.:" at -19.2,-68.446 h1.14
  text "DATE:" at 18.9,-68.446 h1.14
  text "3 Av didier Daurat" at 51.158,-70.097 h1.52
  text ".boardrevision" at -73.048,-71.367 h1.52
  text ".PRINT_DATE" at 16.929,-72.257 h1.78
  text ".boardPartNumber" at -28.579,-72.717 h1.52
  text "31400 Toulouse" at 49.228,-73.907 h1.52
  text "Echelle:" at -72.54,-76.066 h1.14
  text "Document: No:" at -19.2,-76.066 h1.14
  text "NOM DU FICHIER:" at 18.9,-76.066 h1.14
  text ".PCB_FILE_NAME_NO_PATH" at 16.929,-79.877 h1.78
  text "1:1" at -78.947,-80.077 h1.52
  text "8" at -74.689,-85.338 h1.78
  text "7" at -25.667,-85.338 h1.78
  text "6" at 23.863,-85.338 h1.78
  text "5" at 72.885,-85.338 h1.78
  text "4" at 122.161,-85.338 h1.78
  text "3" at 171.454,-85.338 h1.78
  text "2" at 220.713,-85.338 h1.78
  text "1" at 269.752,-85.338 h1.78

## Dimensions
0.254,161.51 to 187.754,143.51 on Drill Drawing
0.254,161.51 to 19.431,16.51 on Drill Drawing

## Text inside footprints (layer, text, board x,y; h text height)
SN1: Top Overlay "S/N:" at 133.731,152.4 h3; Top Layer "S/N:" at 133.731,152.4 h3
Stack-up: Top Layer "1" at 135.611,17.551 h2; Bottom Layer "6" at 149.327,17.551 h2